# KiCad board panel.kicad_pcb (continued)
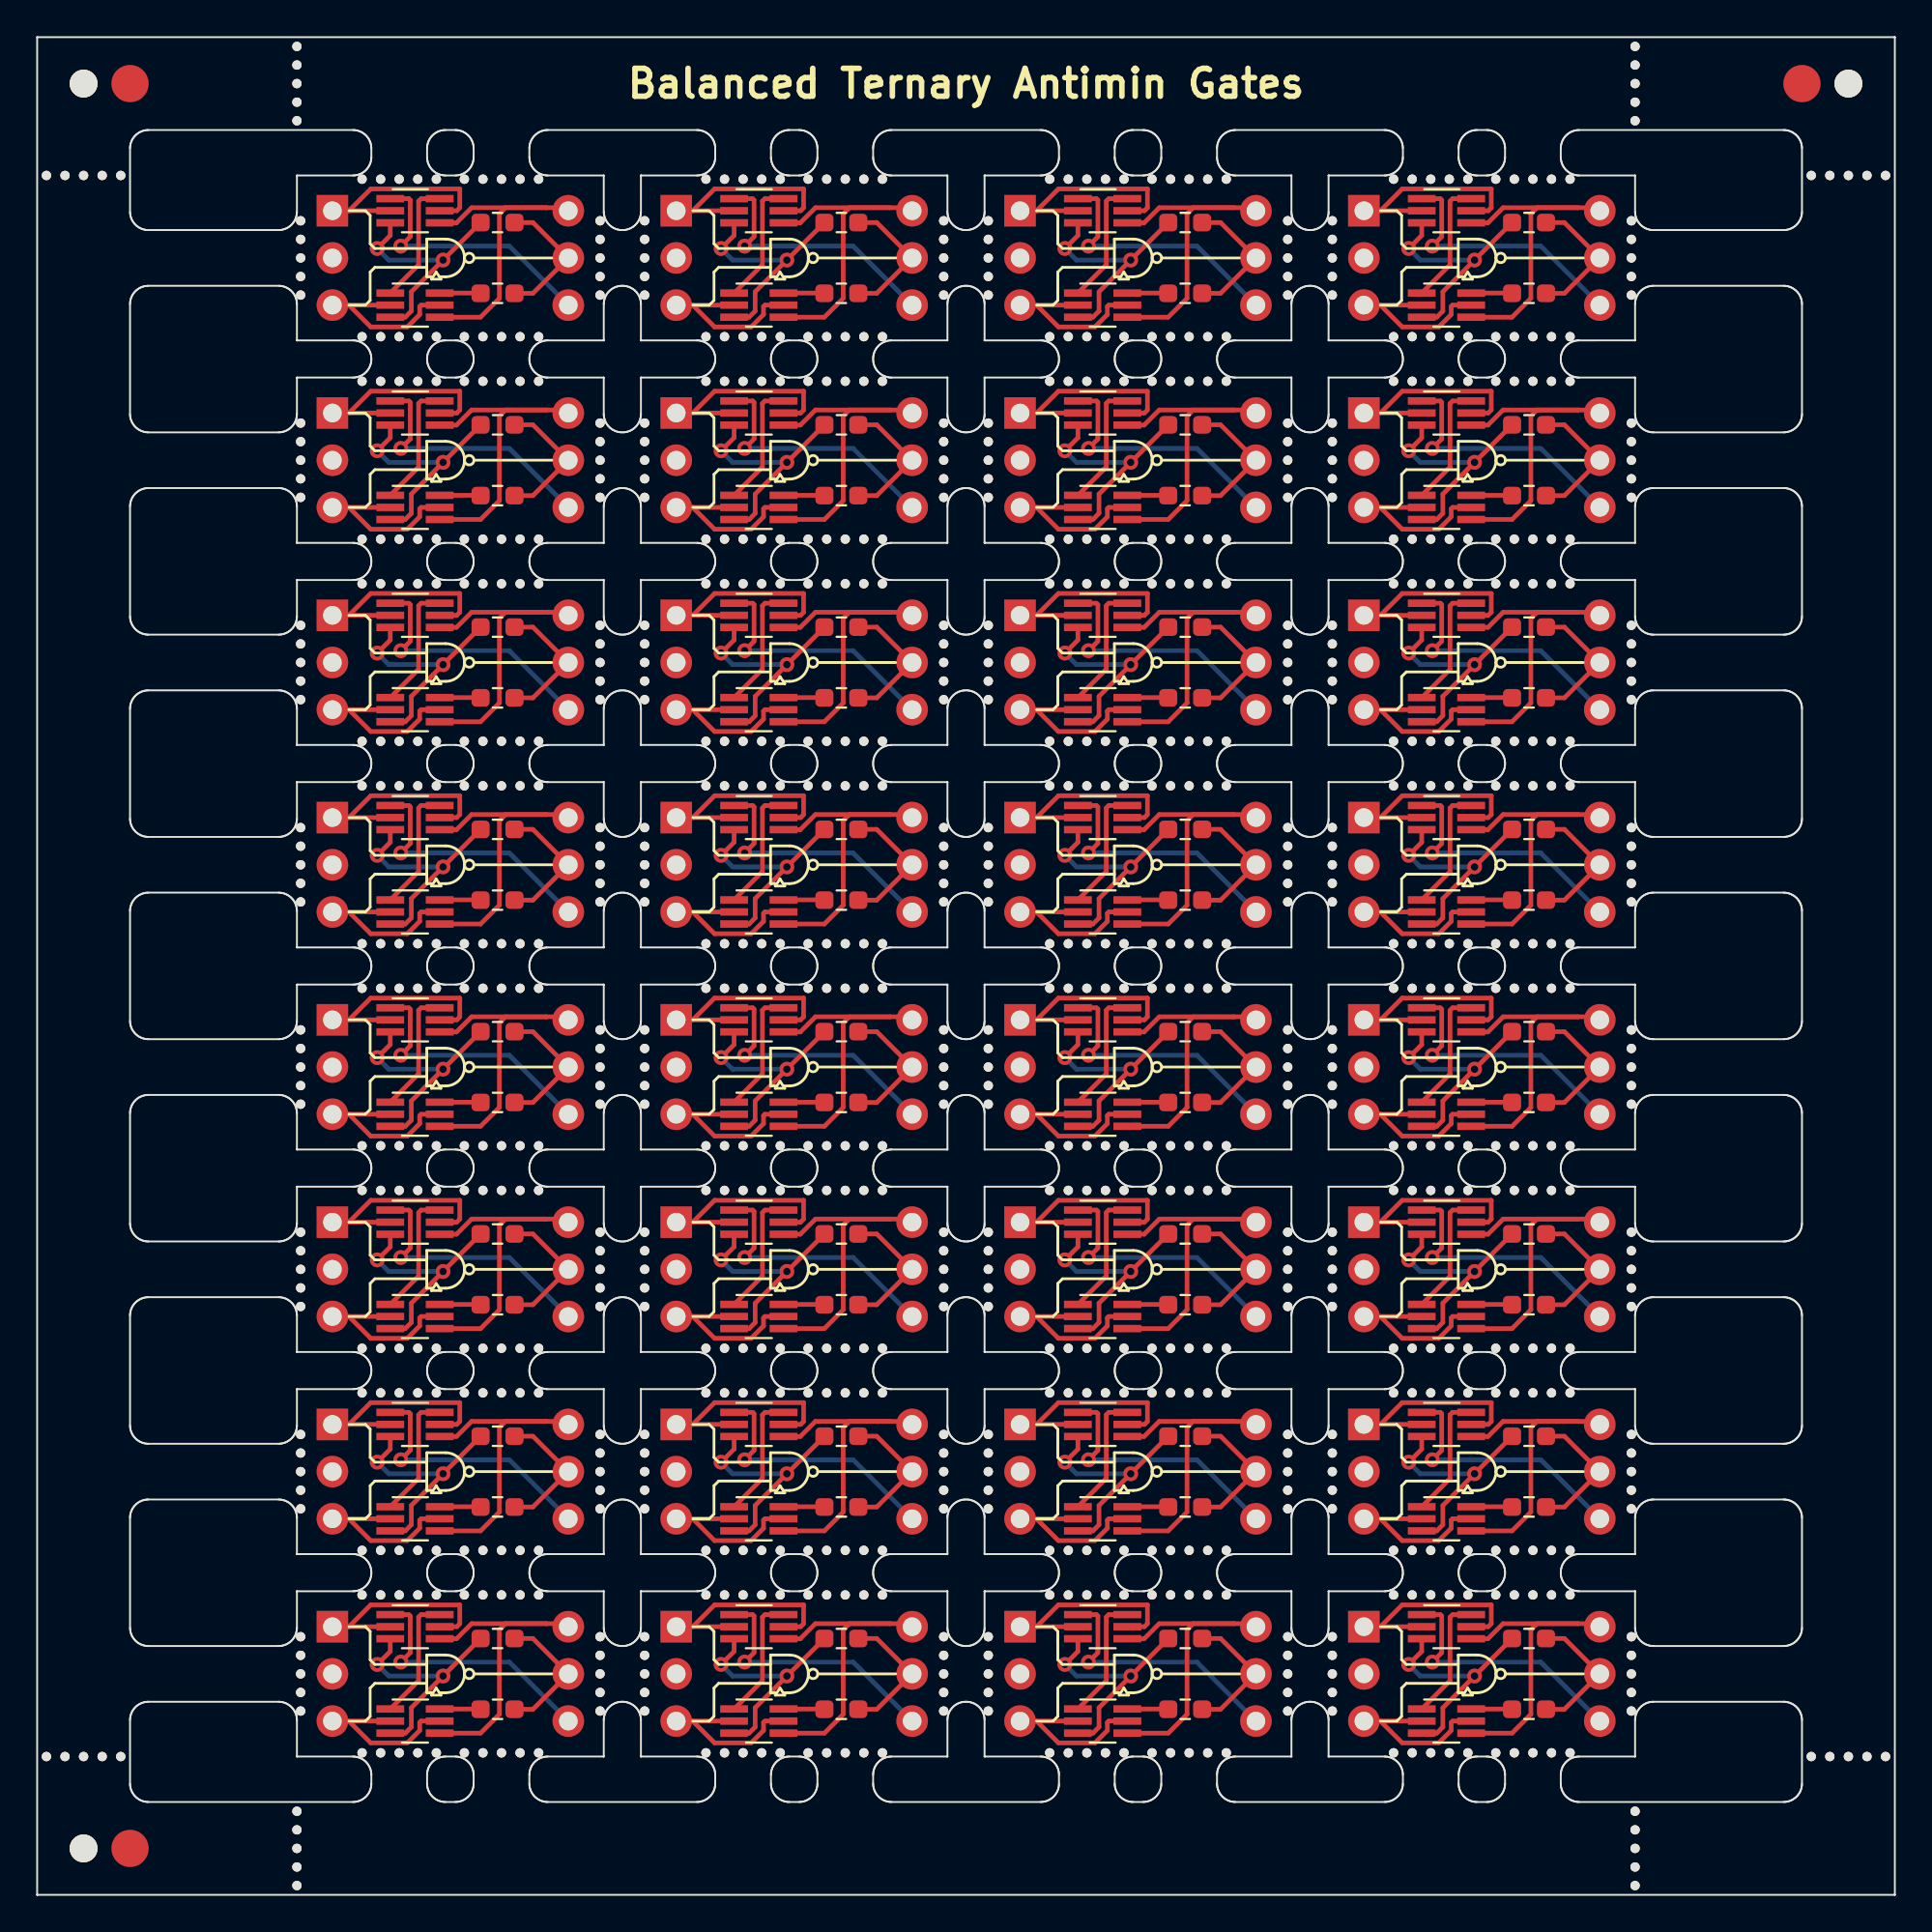
[diagram p0: board, top side]
## Routing (per net, layer and track width the routed paths; a pad name or vN(x,y) marks a point on that pad's centre or on a via; arc(x,y) is an arc through that point) (continued)
  Top w0.25: Q1#16.3 75.35,74.05 75.68,74.38 75.68,75.41 R1#6.1 ; Q2#11.3 74.54,78.45 v1(73.84,77.74)
  Bottom w0.25: v1(73.84,77.74) 74.46,77.12 v1(77.38,77.12)
Board_7-Net-(Q1-Pad6): length 2.2
  Top w0.25: Q1#16.6 79.39,75.35 R2#12.2
Board_7-Out: length 7.4
  Top w0.25: R1#6.2 82.22,79.14 J2#16.2 82.22,75.33 R2#12.1
Board_7-VDD: length 18.2
  Top w0.25: 82.94,79.94 78.92,79.94 78.1,79.13 Q2#11.4 ; 82.94,79.94 83.96,79.94 J2#16.1 ; 82.94,79.94 80.74,79.94 80.42,79.61 80.42,75.06 79.4,74.05 Q1#16.4
Board_7-VSS: length 14.1
  Top w0.25: v1(75.11,77.87) 75.61,78.38 75.61,80.35 75.54,80.43 Q2#11.1
  Bottom w0.25: J2#16.3 80.95,77.87 v1(75.11,77.87)
Board_8-A: length 9.2
  Top w0.25: 16.78,63.81 17.96,62.63 19.93,62.63 20.59,63.3 20.59,63.73 20.67,63.81 Q1.5 ; 16.78,63.81 Q1.2 ; 16.78,63.81 J1#8.3
Board_8-B: length 11.7
  Top w0.25: J1#8.1 16.78,68.89 ; 16.78,68.89 Q2#14.2 ; 16.78,68.89 17.96,70.06 22.74,70.06 22.75,70.05 22.75,69.05 22.59,68.89 Q2#14.5
Board_8-Net-(Q1-Pad1): length 6.8
  Top w0.25: Q2#14.6 20.67,69.54 20.53,69.4 20.53,65.98 Q1.1
Board_8-Net-(Q1-Pad3): length 13.1
  Top w0.25: Q2#14.3 19.01,67.56 v1(18.31,66.85) ; R1#16.1 20.15,64.52 20.15,63.49 19.82,63.16 Q1.3
  Bottom w0.25: v1(18.31,66.85) 18.93,66.23 v1(21.85,66.23)
Board_8-Net-(Q1-Pad6): length 2.2
  Top w0.25: R2#8.2 23.86,64.46 Q1.6
Board_8-Out: length 7.4
  Top w0.25: R2#8.1 26.69,64.44 J2#12.2 26.69,68.25 R1#16.2
Board_8-VDD: length 18.2
  Top w0.25: Q2#14.4 22.57,68.24 23.39,69.05 27.41,69.05 ; 27.41,69.05 25.21,69.05 24.88,68.72 24.88,64.17 23.87,63.16 Q1.4 ; 27.41,69.05 28.43,69.05 J2#12.1
Board_8-VSS: length 14.1
  Top w0.25: Q2#14.1 20.01,69.54 20.09,69.46 20.09,67.49 v1(19.58,66.98)
  Bottom w0.25: J2#12.3 25.42,66.98 v1(19.58,66.98)
Board_9-A: length 9.2
  Top w0.25: Q1#30.5 39.18,63.81 39.1,63.73 39.1,63.3 38.44,62.63 36.47,62.63 35.29,63.81 ; 35.29,63.81 J1#31.3 ; 35.29,63.81 Q1#30.2
Board_9-B: length 11.7
  Top w0.25: 35.29,68.89 Q2#13.2 ; 35.29,68.89 36.47,70.06 41.26,70.06 41.26,70.05 41.26,69.05 41.1,68.89 Q2#13.5 ; 35.29,68.89 J1#31.1
Board_9-Net-(Q1-Pad1): length 6.8
  Top w0.25: Q1#30.1 39.04,65.98 39.04,69.4 39.18,69.54 Q2#13.6
Board_9-Net-(Q1-Pad3): length 13.1
  Top w0.25: v1(36.82,66.85) 37.52,67.56 Q2#13.3 ; Q1#30.3 38.33,63.16 38.66,63.49 38.66,64.52 R1#30.1
  Bottom w0.25: v1(36.82,66.85) 37.44,66.23 v1(40.36,66.23)
Board_9-Net-(Q1-Pad6): length 2.2
  Top w0.25: Q1#30.6 42.37,64.46 R2#27.2
Board_9-Out: length 7.4
  Top w0.25: R1#30.2 45.2,68.25 J2#18.2 45.2,64.44 R2#27.1
Board_9-VDD: length 18.2
  Top w0.25: 45.92,69.05 43.72,69.05 43.4,68.72 43.4,64.17 42.38,63.16 Q1#30.4 ; 45.92,69.05 41.9,69.05 41.08,68.24 Q2#13.4 ; 45.92,69.05 46.94,69.05 J2#18.1
Board_9-VSS: length 14.1
  Top w0.25: v1(38.09,66.98) 38.59,67.49 38.59,69.46 38.52,69.54 Q2#13.1
  Bottom w0.25: v1(38.09,66.98) 43.93,66.98 J2#18.3
Board_10-A: length 9.2
  Top w0.25: 53.8,63.81 54.98,62.63 56.95,62.63 57.61,63.3 57.61,63.73 57.69,63.81 Q1#6.5 ; 53.8,63.81 Q1#6.2 ; 53.8,63.81 J1#18.3
Board_10-B: length 11.7
  Top w0.25: Q2#10.5 59.61,68.89 59.77,69.05 59.77,70.05 59.77,70.06 54.98,70.06 53.8,68.89 ; 53.8,68.89 Q2#10.2 ; 53.8,68.89 J1#18.1
Board_10-Net-(Q1-Pad1): length 6.8
  Top w0.25: Q1#6.1 57.55,65.98 57.55,69.4 57.69,69.54 Q2#10.6
Board_10-Net-(Q1-Pad3): length 13.1
  Top w0.25: Q2#10.3 56.03,67.56 v1(55.33,66.85) ; Q1#6.3 56.84,63.16 57.17,63.49 57.17,64.52 R1#7.1
  Bottom w0.25: v1(55.33,66.85) 55.95,66.23 v1(58.87,66.23)
Board_10-Net-(Q1-Pad6): length 2.2
  Top w0.25: R2#32.2 60.88,64.46 Q1#6.6
Board_10-Out: length 7.4
  Top w0.25: R1#7.2 63.71,68.25 J2#3.2 63.71,64.44 R2#32.1
Board_10-VDD: length 18.2
  Top w0.25: Q2#10.4 59.59,68.24 60.41,69.05 64.43,69.05 ; 64.43,69.05 62.23,69.05 61.91,68.72 61.91,64.17 60.89,63.16 Q1#6.4 ; 64.43,69.05 65.45,69.05 J2#3.1
Board_10-VSS: length 14.1
  Top w0.25: v1(56.6,66.98) 57.11,67.49 57.11,69.46 57.03,69.54 Q2#10.1
  Bottom w0.25: v1(56.6,66.98) 62.44,66.98 J2#3.3
Board_11-A: length 9.2
  Top w0.25: 72.31,63.81 J1#2.3 ; 72.31,63.81 73.49,62.63 75.46,62.63 76.12,63.3 76.12,63.73 76.2,63.81 Q1#11.5 ; 72.31,63.81 Q1#11.2
Board_11-B: length 11.7
  Top w0.25: Q2#29.5 78.12,68.89 78.28,69.05 78.28,70.05 78.28,70.06 73.49,70.06 72.31,68.89 ; 72.31,68.89 Q2#29.2 ; 72.31,68.89 J1#2.1
Board_11-Net-(Q1-Pad1): length 6.8
  Top w0.25: Q1#11.1 76.06,65.98 76.06,69.4 76.2,69.54 Q2#29.6
Board_11-Net-(Q1-Pad3): length 13.1
  Top w0.25: v1(73.84,66.85) 74.54,67.56 Q2#29.3 ; Q1#11.3 75.35,63.16 75.68,63.49 75.68,64.52 R1#31.1
  Bottom w0.25: v1(77.38,66.23) 74.46,66.23 v1(73.84,66.85)
Board_11-Net-(Q1-Pad6): length 2.2
  Top w0.25: Q1#11.6 79.39,64.46 R2.2
Board_11-Out: length 7.4
  Top w0.25: R2.1 82.22,64.44 J2#19.2 82.22,68.25 R1#31.2
Board_11-VDD: length 18.2
  Top w0.25: J2#19.1 83.96,69.05 82.94,69.05 ; Q1#11.4 79.4,63.16 80.42,64.17 80.42,68.72 80.74,69.05 82.94,69.05 ; Q2#29.4 78.1,68.24 78.92,69.05 82.94,69.05
Board_11-VSS: length 14.1
  Top w0.25: Q2#29.1 75.54,69.54 75.61,69.46 75.61,67.49 v1(75.11,66.98)
  Bottom w0.25: J2#19.3 80.95,66.98 v1(75.11,66.98)
Board_12-A: length 9.2
  Top w0.25: Q1#13.2 16.78,52.92 ; 16.78,52.92 17.96,51.74 19.93,51.74 20.59,52.41 20.59,52.84 20.67,52.92 Q1#13.5 ; 16.78,52.92 J1.3
Board_12-B: length 11.7
  Top w0.25: J1.1 16.78,58 ; 16.78,58 17.96,59.17 22.74,59.17 22.75,59.16 22.75,58.16 22.59,58 Q2#5.5 ; 16.78,58 Q2#5.2
Board_12-Net-(Q1-Pad1): length 6.8
  Top w0.25: Q1#13.1 20.53,55.09 20.53,58.51 20.67,58.65 Q2#5.6
Board_12-Net-(Q1-Pad3): length 13.1
  Top w0.25: v1(18.31,55.96) 19.01,56.67 Q2#5.3 ; R1#10.1 20.15,53.63 20.15,52.6 19.82,52.27 Q1#13.3
  Bottom w0.25: v1(21.85,55.34) 18.93,55.34 v1(18.31,55.96)
Board_12-Net-(Q1-Pad6): length 2.2
  Top w0.25: R2#13.2 23.86,53.57 Q1#13.6
Board_12-Out: length 7.4
  Top w0.25: R1#10.2 26.69,57.36 J2#21.2 26.69,53.55 R2#13.1
Board_12-VDD: length 18.2
  Top w0.25: 27.41,58.16 25.21,58.16 24.88,57.83 24.88,53.28 23.87,52.27 Q1#13.4 ; 27.41,58.16 28.43,58.16 J2#21.1 ; 27.41,58.16 23.39,58.16 22.57,57.35 Q2#5.4
Board_12-VSS: length 14.1
  Top w0.25: v1(19.58,56.09) 20.09,56.6 20.09,58.57 20.01,58.65 Q2#5.1
  Bottom w0.25: J2#21.3 25.42,56.09 v1(19.58,56.09)
Board_13-A: length 9.2
  Top w0.25: 35.29,52.92 J1#9.3 ; 35.29,52.92 Q1#29.2 ; 35.29,52.92 36.47,51.74 38.44,51.74 39.1,52.41 39.1,52.84 39.18,52.92 Q1#29.5
Board_13-B: length 11.7
  Top w0.25: J1#9.1 35.29,58 ; 35.29,58 Q2#31.2 ; 35.29,58 36.47,59.17 41.26,59.17 41.26,59.16 41.26,58.16 41.1,58 Q2#31.5
Board_13-Net-(Q1-Pad1): length 6.8
  Top w0.25: Q1#29.1 39.04,55.09 39.04,58.51 39.18,58.65 Q2#31.6
Board_13-Net-(Q1-Pad3): length 13.1
  Top w0.25: v1(36.82,55.96) 37.52,56.67 Q2#31.3 ; R1#25.1 38.66,53.63 38.66,52.6 38.33,52.27 Q1#29.3
  Bottom w0.25: v1(40.36,55.34) 37.44,55.34 v1(36.82,55.96)
Board_13-Net-(Q1-Pad6): length 2.2
  Top w0.25: R2#29.2 42.37,53.57 Q1#29.6
Board_13-Out: length 7.4
  Top w0.25: R2#29.1 45.2,53.55 J2#24.2 45.2,57.36 R1#25.2
Board_13-VDD: length 18.2
  Top w0.25: 45.92,58.16 43.72,58.16 43.4,57.83 43.4,53.28 42.38,52.27 Q1#29.4 ; 45.92,58.16 41.9,58.16 41.08,57.35 Q2#31.4 ; 45.92,58.16 46.94,58.16 J2#24.1
Board_13-VSS: length 14.1
  Top w0.25: v1(38.09,56.09) 38.59,56.6 38.59,58.57 38.52,58.65 Q2#31.1
  Bottom w0.25: J2#24.3 43.93,56.09 v1(38.09,56.09)
Board_14-A: length 9.2
  Top w0.25: Q1#18.2 53.8,52.92 ; 53.8,52.92 54.98,51.74 56.95,51.74 57.61,52.41 57.61,52.84 57.69,52.92 Q1#18.5 ; 53.8,52.92 J1#13.3
Board_14-B: length 11.7
  Top w0.25: 53.8,58 Q2.2 ; 53.8,58 54.98,59.17 59.77,59.17 59.77,59.16 59.77,58.16 59.61,58 Q2.5 ; 53.8,58 J1#13.1
Board_14-Net-(Q1-Pad1): length 6.8
  Top w0.25: Q1#18.1 57.55,55.09 57.55,58.51 57.69,58.65 Q2.6
Board_14-Net-(Q1-Pad3): length 13.1
  Top w0.25: v1(55.33,55.96) 56.03,56.67 Q2.3 ; Q1#18.3 56.84,52.27 57.17,52.6 57.17,53.63 R1#19.1
  Bottom w0.25: v1(58.87,55.34) 55.95,55.34 v1(55.33,55.96)
Board_14-Net-(Q1-Pad6): length 2.2
  Top w0.25: Q1#18.6 60.88,53.57 R2#2.2
Board_14-Out: length 7.4
  Top w0.25: R1#19.2 63.71,57.36 J2#23.2 63.71,53.55 R2#2.1
Board_14-VDD: length 18.2
  Top w0.25: J2#23.1 65.45,58.16 64.43,58.16 ; Q2.4 59.59,57.35 60.41,58.16 64.43,58.16 ; 64.43,58.16 62.23,58.16 61.91,57.83 61.91,53.28 60.89,52.27 Q1#18.4
Board_14-VSS: length 14.1
  Top w0.25: Q2.1 57.03,58.65 57.11,58.57 57.11,56.6 v1(56.6,56.09)
  Bottom w0.25: J2#23.3 62.44,56.09 v1(56.6,56.09)
Board_15-A: length 9.2
  Top w0.25: Q1#15.5 76.2,52.92 76.12,52.84 76.12,52.41 75.46,51.74 73.49,51.74 72.31,52.92 ; 72.31,52.92 J1#3.3 ; 72.31,52.92 Q1#15.2
Board_15-B: length 11.7
  Top w0.25: 72.31,58 Q2#26.2 ; 72.31,58 73.49,59.17 78.28,59.17 78.28,59.16 78.28,58.16 78.12,58 Q2#26.5 ; 72.31,58 J1#3.1
Board_15-Net-(Q1-Pad1): length 6.8
  Top w0.25: Q2#26.6 76.2,58.65 76.06,58.51 76.06,55.09 Q1#15.1
Board_15-Net-(Q1-Pad3): length 13.1
  Top w0.25: v1(73.84,55.96) 74.54,56.67 Q2#26.3 ; Q1#15.3 75.35,52.27 75.68,52.6 75.68,53.63 R1#5.1
  Bottom w0.25: v1(77.38,55.34) 74.46,55.34 v1(73.84,55.96)
Board_15-Net-(Q1-Pad6): length 2.2
  Top w0.25: Q1#15.6 79.39,53.57 R2#22.2
Board_15-Out: length 7.4
  Top w0.25: R1#5.2 82.22,57.36 J2#14.2 82.22,53.55 R2#22.1
Board_15-VDD: length 18.2
  Top w0.25: 82.94,58.16 83.96,58.16 J2#14.1 ; 82.94,58.16 80.74,58.16 80.42,57.83 80.42,53.28 79.4,52.27 Q1#15.4 ; 82.94,58.16 78.92,58.16 78.1,57.35 Q2#26.4
Board_15-VSS: length 14.1
  Top w0.25: Q2#26.1 75.54,58.65 75.61,58.57 75.61,56.6 v1(75.11,56.09)
  Bottom w0.25: J2#14.3 80.95,56.09 v1(75.11,56.09)
Board_16-A: length 9.2
  Top w0.25: Q1#28.2 16.78,42.03 ; 16.78,42.03 17.96,40.85 19.93,40.85 20.59,41.52 20.59,41.95 20.67,42.03 Q1#28.5 ; 16.78,42.03 J1#17.3
Board_16-B: length 11.7
  Top w0.25: 16.78,47.11 Q2#2.2 ; 16.78,47.11 17.96,48.28 22.74,48.28 22.75,48.27 22.75,47.27 22.59,47.11 Q2#2.5 ; 16.78,47.11 J1#17.1
Board_16-Net-(Q1-Pad1): length 6.8
  Top w0.25: Q1#28.1 20.53,44.2 20.53,47.62 20.67,47.76 Q2#2.6
Board_16-Net-(Q1-Pad3): length 13.1
  Top w0.25: Q2#2.3 19.01,45.78 v1(18.31,45.07) ; R1#23.1 20.15,42.74 20.15,41.71 19.82,41.38 Q1#28.3
  Bottom w0.25: v1(21.85,44.45) 18.93,44.45 v1(18.31,45.07)
Board_16-Net-(Q1-Pad6): length 2.2
  Top w0.25: Q1#28.6 23.86,42.68 R2#19.2
Board_16-Out: length 7.4
  Top w0.25: R1#23.2 26.69,46.47 J2#25.2 26.69,42.66 R2#19.1
Board_16-VDD: length 18.2
  Top w0.25: Q2#2.4 22.57,46.46 23.39,47.27 27.41,47.27 ; 27.41,47.27 28.43,47.27 J2#25.1 ; 27.41,47.27 25.21,47.27 24.88,46.94 24.88,42.39 23.87,41.38 Q1#28.4
Board_16-VSS: length 14.1
  Top w0.25: Q2#2.1 20.01,47.76 20.09,47.68 20.09,45.71 v1(19.58,45.2)
  Bottom w0.25: J2#25.3 25.42,45.2 v1(19.58,45.2)
Board_17-A: length 9.2
  Top w0.25: Q1#5.5 39.18,42.03 39.1,41.95 39.1,41.52 38.44,40.85 36.47,40.85 35.29,42.03 ; 35.29,42.03 J1#16.3 ; 35.29,42.03 Q1#5.2
Board_17-B: length 11.7
  Top w0.25: 35.29,47.11 Q2#27.2 ; 35.29,47.11 36.47,48.28 41.26,48.28 41.26,48.27 41.26,47.27 41.1,47.11 Q2#27.5 ; 35.29,47.11 J1#16.1
Board_17-Net-(Q1-Pad1): length 6.8
  Top w0.25: Q2#27.6 39.18,47.76 39.04,47.62 39.04,44.2 Q1#5.1
Board_17-Net-(Q1-Pad3): length 13.1
  Top w0.25: Q1#5.3 38.33,41.38 38.66,41.71 38.66,42.74 R1#24.1 ; v1(36.82,45.07) 37.52,45.78 Q2#27.3
  Bottom w0.25: v1(40.36,44.45) 37.44,44.45 v1(36.82,45.07)
Board_17-Net-(Q1-Pad6): length 2.2
  Top w0.25: Q1#5.6 42.37,42.68 R2#3.2
Board_17-Out: length 7.4
  Top w0.25: R2#3.1 45.2,42.66 J2#27.2 45.2,46.47 R1#24.2
Board_17-VDD: length 18.2
  Top w0.25: Q2#27.4 41.08,46.46 41.9,47.27 45.92,47.27 ; 45.92,47.27 43.72,47.27 43.4,46.94 43.4,42.39 42.38,41.38 Q1#5.4 ; 45.92,47.27 46.94,47.27 J2#27.1
Board_17-VSS: length 14.1
  Top w0.25: Q2#27.1 38.52,47.76 38.59,47.68 38.59,45.71 v1(38.09,45.2)
  Bottom w0.25: v1(38.09,45.2) 43.93,45.2 J2#27.3
Board_18-A: length 9.2
  Top w0.25: Q1#3.2 53.8,42.03 ; 53.8,42.03 J1#7.3 ; 53.8,42.03 54.98,40.85 56.95,40.85 57.61,41.52 57.61,41.95 57.69,42.03 Q1#3.5
Board_18-B: length 11.7
  Top w0.25: 53.8,47.11 54.98,48.28 59.77,48.28 59.77,48.27 59.77,47.27 59.61,47.11 Q2#21.5 ; 53.8,47.11 J1#7.1 ; 53.8,47.11 Q2#21.2
Board_18-Net-(Q1-Pad1): length 6.8
  Top w0.25: Q2#21.6 57.69,47.76 57.55,47.62 57.55,44.2 Q1#3.1
Board_18-Net-(Q1-Pad3): length 13.1
  Top w0.25: R1.1 57.17,42.74 57.17,41.71 56.84,41.38 Q1#3.3 ; v1(55.33,45.07) 56.03,45.78 Q2#21.3
  Bottom w0.25: v1(58.87,44.45) 55.95,44.45 v1(55.33,45.07)
Board_18-Net-(Q1-Pad6): length 2.2
  Top w0.25: R2#24.2 60.88,42.68 Q1#3.6
Board_18-Out: length 7.4
  Top w0.25: R2#24.1 63.71,42.66 J2#4.2 63.71,46.47 R1.2
Board_18-VDD: length 18.2
  Top w0.25: J2#4.1 65.45,47.27 64.43,47.27 ; Q2#21.4 59.59,46.46 60.41,47.27 64.43,47.27 ; 64.43,47.27 62.23,47.27 61.91,46.94 61.91,42.39 60.89,41.38 Q1#3.4
Board_18-VSS: length 14.1
  Top w0.25: v1(56.6,45.2) 57.11,45.71 57.11,47.68 57.03,47.76 Q2#21.1
  Bottom w0.25: v1(56.6,45.2) 62.44,45.2 J2#4.3
Board_19-A: length 9.2
  Top w0.25: Q1#7.5 76.2,42.03 76.12,41.95 76.12,41.52 75.46,40.85 73.49,40.85 72.31,42.03 ; Q1#7.2 72.31,42.03 ; 72.31,42.03 J1#27.3
Board_19-B: length 11.7
  Top w0.25: 72.31,47.11 Q2#18.2 ; 72.31,47.11 J1#27.1 ; 72.31,47.11 73.49,48.28 78.28,48.28 78.28,48.27 78.28,47.27 78.12,47.11 Q2#18.5
Board_19-Net-(Q1-Pad1): length 6.8
  Top w0.25: Q1#7.1 76.06,44.2 76.06,47.62 76.2,47.76 Q2#18.6
Board_19-Net-(Q1-Pad3): length 13.1
  Top w0.25: Q1#7.3 75.35,41.38 75.68,41.71 75.68,42.74 R1#32.1 ; v1(73.84,45.07) 74.54,45.78 Q2#18.3
  Bottom w0.25: v1(73.84,45.07) 74.46,44.45 v1(77.38,44.45)
Board_19-Net-(Q1-Pad6): length 2.2
  Top w0.25: Q1#7.6 79.39,42.68 R2#18.2
Board_19-Out: length 7.4
  Top w0.25: R1#32.2 82.22,46.47 J2#29.2 82.22,42.66 R2#18.1
Board_19-VDD: length 18.2
  Top w0.25: J2#29.1 83.96,47.27 82.94,47.27 ; 82.94,47.27 78.92,47.27 78.1,46.46 Q2#18.4 ; 82.94,47.27 80.74,47.27 80.42,46.94 80.42,42.39 79.4,41.38 Q1#7.4
Board_19-VSS: length 14.1
  Top w0.25: v1(75.11,45.2) 75.61,45.71 75.61,47.68 75.54,47.76 Q2#18.1
  Bottom w0.25: v1(75.11,45.2) 80.95,45.2 J2#29.3
Board_20-A: length 9.2
  Top w0.25: Q1#25.2 16.78,31.14 ; 16.78,31.14 17.96,29.96 19.93,29.96 20.59,30.63 20.59,31.06 20.67,31.14 Q1#25.5 ; 16.78,31.14 J1#21.3
Board_20-B: length 11.7
  Top w0.25: 16.78,36.22 17.96,37.39 22.74,37.39 22.75,37.38 22.75,36.38 22.59,36.22 Q2#19.5 ; 16.78,36.22 Q2#19.2 ; 16.78,36.22 J1#21.1
Board_20-Net-(Q1-Pad1): length 6.8
  Top w0.25: Q2#19.6 20.67,36.87 20.53,36.73 20.53,33.31 Q1#25.1
Board_20-Net-(Q1-Pad3): length 13.1
  Top w0.25: Q1#25.3 19.82,30.49 20.15,30.82 20.15,31.85 R1#13.1 ; Q2#19.3 19.01,34.89 v1(18.31,34.18)
  Bottom w0.25: v1(21.85,33.56) 18.93,33.56 v1(18.31,34.18)
Board_20-Net-(Q1-Pad6): length 2.2
  Top w0.25: Q1#25.6 23.86,31.79 R2#21.2
Board_20-Out: length 7.4
  Top w0.25: R2#21.1 26.69,31.77 J2#5.2 26.69,35.58 R1#13.2
Board_20-VDD: length 18.2
  Top w0.25: 27.41,36.38 28.43,36.38 J2#5.1 ; 27.41,36.38 25.21,36.38 24.88,36.05 24.88,31.5 23.87,30.49 Q1#25.4 ; 27.41,36.38 23.39,36.38 22.57,35.57 Q2#19.4
Board_20-VSS: length 14.1
  Top w0.25: Q2#19.1 20.01,36.87 20.09,36.79 20.09,34.82 v1(19.58,34.31)
  Bottom w0.25: v1(19.58,34.31) 25.42,34.31 J2#5.3
Board_21-A: length 9.2
  Top w0.25: 35.29,31.14 J1#15.3 ; 35.29,31.14 Q1#23.2 ; 35.29,31.14 36.47,29.96 38.44,29.96 39.1,30.63 39.1,31.06 39.18,31.14 Q1#23.5
Board_21-B: length 11.7
  Top w0.25: J1#15.1 35.29,36.22 ; 35.29,36.22 36.47,37.39 41.26,37.39 41.26,37.38 41.26,36.38 41.1,36.22 Q2#24.5 ; 35.29,36.22 Q2#24.2
Board_21-Net-(Q1-Pad1): length 6.8
  Top w0.25: Q2#24.6 39.18,36.87 39.04,36.73 39.04,33.31 Q1#23.1
Board_21-Net-(Q1-Pad3): length 13.1
  Top w0.25: v1(36.82,34.18) 37.52,34.89 Q2#24.3 ; R1#21.1 38.66,31.85 38.66,30.82 38.33,30.49 Q1#23.3
  Bottom w0.25: v1(40.36,33.56) 37.44,33.56 v1(36.82,34.18)
Board_21-Net-(Q1-Pad6): length 2.2
  Top w0.25: R2#11.2 42.37,31.79 Q1#23.6
Board_21-Out: length 7.4
  Top w0.25: R1#21.2 45.2,35.58 J2#28.2 45.2,31.77 R2#11.1
Board_21-VDD: length 18.2
  Top w0.25: 45.92,36.38 46.94,36.38 J2#28.1 ; 45.92,36.38 43.72,36.38 43.4,36.05 43.4,31.5 42.38,30.49 Q1#23.4 ; 45.92,36.38 41.9,36.38 41.08,35.57 Q2#24.4
Board_21-VSS: length 14.1
  Top w0.25: v1(38.09,34.31) 38.59,34.82 38.59,36.79 38.52,36.87 Q2#24.1
  Bottom w0.25: v1(38.09,34.31) 43.93,34.31 J2#28.3
Board_22-A: length 9.2
  Top w0.25: 53.8,31.14 J1#28.3 ; 53.8,31.14 Q1#32.2 ; 53.8,31.14 54.98,29.96 56.95,29.96 57.61,30.63 57.61,31.06 57.69,31.14 Q1#32.5
Board_22-B: length 11.7
  Top w0.25: J1#28.1 53.8,36.22 ; 53.8,36.22 Q2#3.2 ; 53.8,36.22 54.98,37.39 59.77,37.39 59.77,37.38 59.77,36.38 59.61,36.22 Q2#3.5
Board_22-Net-(Q1-Pad1): length 6.8
  Top w0.25: Q2#3.6 57.69,36.87 57.55,36.73 57.55,33.31 Q1#32.1
Board_22-Net-(Q1-Pad3): length 13.1
  Top w0.25: Q2#3.3 56.03,34.89 v1(55.33,34.18) ; Q1#32.3 56.84,30.49 57.17,30.82 57.17,31.85 R1#22.1
  Bottom w0.25: v1(58.87,33.56) 55.95,33.56 v1(55.33,34.18)
Board_22-Net-(Q1-Pad6): length 2.2
  Top w0.25: Q1#32.6 60.88,31.79 R2#7.2
Board_22-Out: length 7.4
  Top w0.25: R2#7.1 63.71,31.77 J2#32.2 63.71,35.58 R1#22.2
Board_22-VDD: length 18.2
  Top w0.25: Q1#32.4 60.89,30.49 61.91,31.5 61.91,36.05 62.23,36.38 64.43,36.38 ; 64.43,36.38 65.45,36.38 J2#32.1 ; 64.43,36.38 60.41,36.38 59.59,35.57 Q2#3.4
Board_22-VSS: length 14.1
  Top w0.25: v1(56.6,34.31) 57.11,34.82 57.11,36.79 57.03,36.87 Q2#3.1
  Bottom w0.25: J2#32.3 62.44,34.31 v1(56.6,34.31)
Board_23-A: length 9.2
  Top w0.25: 72.31,31.14 73.49,29.96 75.46,29.96 76.12,30.63 76.12,31.06 76.2,31.14 Q1#2.5 ; 72.31,31.14 Q1#2.2 ; 72.31,31.14 J1#5.3
Board_23-B: length 11.7
  Top w0.25: J1#5.1 72.31,36.22 ; 72.31,36.22 Q2#15.2 ; 72.31,36.22 73.49,37.39 78.28,37.39 78.28,37.38 78.28,36.38 78.12,36.22 Q2#15.5
Board_23-Net-(Q1-Pad1): length 6.8
  Top w0.25: Q2#15.6 76.2,36.87 76.06,36.73 76.06,33.31 Q1#2.1
Board_23-Net-(Q1-Pad3): length 13.1
  Top w0.25: Q1#2.3 75.35,30.49 75.68,30.82 75.68,31.85 R1#2.1 ; Q2#15.3 74.54,34.89 v1(73.84,34.18)
  Bottom w0.25: v1(77.38,33.56) 74.46,33.56 v1(73.84,34.18)
Board_23-Net-(Q1-Pad6): length 2.2
  Top w0.25: R2#23.2 79.39,31.79 Q1#2.6
Board_23-Out: length 7.4
  Top w0.25: R2#23.1 82.22,31.77 J2#26.2 82.22,35.58 R1#2.2
Board_23-VDD: length 18.2
  Top w0.25: 82.94,36.38 83.96,36.38 J2#26.1 ; 82.94,36.38 78.92,36.38 78.1,35.57 Q2#15.4 ; 82.94,36.38 80.74,36.38 80.42,36.05 80.42,31.5 79.4,30.49 Q1#2.4
Board_23-VSS: length 14.1
  Top w0.25: Q2#15.1 75.54,36.87 75.61,36.79 75.61,34.82 v1(75.11,34.31)
  Bottom w0.25: v1(75.11,34.31) 80.95,34.31 J2#26.3
Board_24-A: length 9.2
  Top w0.25: 16.78,20.25 17.96,19.07 19.93,19.07 20.59,19.74 20.59,20.17 20.67,20.25 Q1#9.5 ; 16.78,20.25 Q1#9.2 ; 16.78,20.25 J1#29.3
Board_24-B: length 11.7
  Top w0.25: Q2#17.5 22.59,25.33 22.75,25.49 22.75,26.49 22.74,26.5 17.96,26.5 16.78,25.33 ; J1#29.1 16.78,25.33 ; 16.78,25.33 Q2#17.2
Board_24-Net-(Q1-Pad1): length 6.8
  Top w0.25: Q1#9.1 20.53,22.42 20.53,25.84 20.67,25.98 Q2#17.6
Board_24-Net-(Q1-Pad3): length 13.1
  Top w0.25: v1(18.31,23.29) 19.01,24 Q2#17.3 ; Q1#9.3 19.82,19.6 20.15,19.93 20.15,20.96 R1#8.1
  Bottom w0.25: v1(18.31,23.29) 18.93,22.67 v1(21.85,22.67)
Board_24-Net-(Q1-Pad6): length 2.2
  Top w0.25: Q1#9.6 23.86,20.9 R2#20.2
Board_24-Out: length 7.4
  Top w0.25: R1#8.2 26.69,24.69 J2#20.2 26.69,20.88 R2#20.1
Board_24-VDD: length 18.2
  Top w0.25: Q1#9.4 23.87,19.6 24.88,20.61 24.88,25.16 25.21,25.49 27.41,25.49 ; 27.41,25.49 28.43,25.49 J2#20.1 ; 27.41,25.49 23.39,25.49 22.57,24.68 Q2#17.4
Board_24-VSS: length 14.1
  Top w0.25: v1(19.58,23.42) 20.09,23.93 20.09,25.9 20.01,25.98 Q2#17.1
  Bottom w0.25: J2#20.3 25.42,23.42 v1(19.58,23.42)
Board_25-A: length 9.2
  Top w0.25: 35.29,20.25 36.47,19.07 38.44,19.07 39.1,19.74 39.1,20.17 39.18,20.25 Q1#21.5 ; 35.29,20.25 Q1#21.2 ; 35.29,20.25 J1#12.3
Board_25-B: length 11.7
  Top w0.25: 35.29,25.33 36.47,26.5 41.26,26.5 41.26,26.49 41.26,25.49 41.1,25.33 Q2#4.5 ; 35.29,25.33 Q2#4.2 ; 35.29,25.33 J1#12.1
Board_25-Net-(Q1-Pad1): length 6.8
  Top w0.25: Q2#4.6 39.18,25.98 39.04,25.84 39.04,22.42 Q1#21.1
Board_25-Net-(Q1-Pad3): length 13.1
  Top w0.25: v1(36.82,23.29) 37.52,24 Q2#4.3 ; Q1#21.3 38.33,19.6 38.66,19.93 38.66,20.96 R1#26.1
  Bottom w0.25: v1(36.82,23.29) 37.44,22.67 v1(40.36,22.67)
Board_25-Net-(Q1-Pad6): length 2.2
  Top w0.25: Q1#21.6 42.37,20.9 R2#6.2
Board_25-Out: length 7.4
  Top w0.25: R2#6.1 45.2,20.88 J2#11.2 45.2,24.69 R1#26.2
Board_25-VDD: length 18.2
  Top w0.25: J2#11.1 46.94,25.49 45.92,25.49 ; 45.92,25.49 41.9,25.49 41.08,24.68 Q2#4.4 ; 45.92,25.49 43.72,25.49 43.4,25.16 43.4,20.61 42.38,19.6 Q1#21.4
Board_25-VSS: length 14.1
  Top w0.25: Q2#4.1 38.52,25.98 38.59,25.9 38.59,23.93 v1(38.09,23.42)
  Bottom w0.25: J2#11.3 43.93,23.42 v1(38.09,23.42)
Board_26-A: length 9.2
  Top w0.25: Q1#14.2 53.8,20.25 ; 53.8,20.25 J1#10.3 ; 53.8,20.25 54.98,19.07 56.95,19.07 57.61,19.74 57.61,20.17 57.69,20.25 Q1#14.5
Board_26-B: length 11.7
  Top w0.25: 53.8,25.33 54.98,26.5 59.77,26.5 59.77,26.49 59.77,25.49 59.61,25.33 Q2#28.5 ; 53.8,25.33 J1#10.1 ; 53.8,25.33 Q2#28.2
Board_26-Net-(Q1-Pad1): length 6.8
  Top w0.25: Q1#14.1 57.55,22.42 57.55,25.84 57.69,25.98 Q2#28.6
Board_26-Net-(Q1-Pad3): length 13.1
  Top w0.25: R1#18.1 57.17,20.96 57.17,19.93 56.84,19.6 Q1#14.3 ; Q2#28.3 56.03,24 v1(55.33,23.29)
  Bottom w0.25: v1(58.87,22.67) 55.95,22.67 v1(55.33,23.29)
Board_26-Net-(Q1-Pad6): length 2.2
  Top w0.25: Q1#14.6 60.88,20.9 R2#4.2
Board_26-Out: length 7.4
  Top w0.25: R1#18.2 63.71,24.69 J2#8.2 63.71,20.88 R2#4.1
Board_26-VDD: length 18.2
  Top w0.25: 64.43,25.49 60.41,25.49 59.59,24.68 Q2#28.4 ; 64.43,25.49 65.45,25.49 J2#8.1 ; 64.43,25.49 62.23,25.49 61.91,25.16 61.91,20.61 60.89,19.6 Q1#14.4
Board_26-VSS: length 14.1
  Top w0.25: Q2#28.1 57.03,25.98 57.11,25.9 57.11,23.93 v1(56.6,23.42)
  Bottom w0.25: v1(56.6,23.42) 62.44,23.42 J2#8.3
Board_27-A: length 9.2
  Top w0.25: Q1#12.2 72.31,20.25 ; 72.31,20.25 73.49,19.07 75.46,19.07 76.12,19.74 76.12,20.17 76.2,20.25 Q1#12.5 ; 72.31,20.25 J1#19.3
Board_27-B: length 11.7
  Top w0.25: J1#19.1 72.31,25.33 ; 72.31,25.33 Q2#9.2 ; 72.31,25.33 73.49,26.5 78.28,26.5 78.28,26.49 78.28,25.49 78.12,25.33 Q2#9.5
Board_27-Net-(Q1-Pad1): length 6.8
  Top w0.25: Q1#12.1 76.06,22.42 76.06,25.84 76.2,25.98 Q2#9.6
Board_27-Net-(Q1-Pad3): length 13.1
  Top w0.25: Q2#9.3 74.54,24 v1(73.84,23.29) ; Q1#12.3 75.35,19.6 75.68,19.93 75.68,20.96 R1#9.1
  Bottom w0.25: v1(73.84,23.29) 74.46,22.67 v1(77.38,22.67)
Board_27-Net-(Q1-Pad6): length 2.2
  Top w0.25: R2#16.2 79.39,20.9 Q1#12.6
Board_27-Out: length 7.4
  Top w0.25: R1#9.2 82.22,24.69 J2#9.2 82.22,20.88 R2#16.1
Board_27-VDD: length 18.2
  Top w0.25: J2#9.1 83.96,25.49 82.94,25.49 ; 82.94,25.49 80.74,25.49 80.42,25.16 80.42,20.61 79.4,19.6 Q1#12.4 ; 82.94,25.49 78.92,25.49 78.1,24.68 Q2#9.4
Board_27-VSS: length 14.1
  Top w0.25: v1(75.11,23.42) 75.61,23.93 75.61,25.9 75.54,25.98 Q2#9.1
  Bottom w0.25: J2#9.3 80.95,23.42 v1(75.11,23.42)
Board_28-A: length 9.2
  Top w0.25: Q1#24.2 16.78,9.36 ; 16.78,9.36 J1#23.3 ; 16.78,9.36 17.96,8.18 19.93,8.18 20.59,8.85 20.59,9.28 20.67,9.36 Q1#24.5
Board_28-B: length 11.7
  Top w0.25: Q2#12.5 22.59,14.44 22.75,14.6 22.75,15.6 22.74,15.61 17.96,15.61 16.78,14.44 ; 16.78,14.44 Q2#12.2 ; 16.78,14.44 J1#23.1
Board_28-Net-(Q1-Pad1): length 6.8
  Top w0.25: Q1#24.1 20.53,11.53 20.53,14.95 20.67,15.09 Q2#12.6
Board_28-Net-(Q1-Pad3): length 13.1
  Top w0.25: Q1#24.3 19.82,8.71 20.15,9.04 20.15,10.07 R1#27.1 ; v1(18.31,12.4) 19.01,13.11 Q2#12.3
  Bottom w0.25: v1(21.85,11.78) 18.93,11.78 v1(18.31,12.4)
Board_28-Net-(Q1-Pad6): length 2.2
  Top w0.25: Q1#24.6 23.86,10.01 R2#14.2
Board_28-Out: length 7.4
  Top w0.25: R2#14.1 26.69,9.99 J2#2.2 26.69,13.8 R1#27.2
Board_28-VDD: length 18.2
  Top w0.25: 27.41,14.6 23.39,14.6 22.57,13.79 Q2#12.4 ; 27.41,14.6 25.21,14.6 24.88,14.27 24.88,9.72 23.87,8.71 Q1#24.4 ; 27.41,14.6 28.43,14.6 J2#2.1
Board_28-VSS: length 14.1
  Top w0.25: Q2#12.1 20.01,15.09 20.09,15.01 20.09,13.04 v1(19.58,12.53)
  Bottom w0.25: v1(19.58,12.53) 25.42,12.53 J2#2.3
Board_29-A: length 9.2
  Top w0.25: 35.29,9.36 36.47,8.18 38.44,8.18 39.1,8.85 39.1,9.28 39.18,9.36 Q1#20.5 ; 35.29,9.36 Q1#20.2 ; 35.29,9.36 J1#26.3
Board_29-B: length 11.7
  Top w0.25: J1#26.1 35.29,14.44 ; 35.29,14.44 Q2#23.2 ; 35.29,14.44 36.47,15.61 41.26,15.61 41.26,15.6 41.26,14.6 41.1,14.44 Q2#23.5
Board_29-Net-(Q1-Pad1): length 6.8
  Top w0.25: Q2#23.6 39.18,15.09 39.04,14.95 39.04,11.53 Q1#20.1
Board_29-Net-(Q1-Pad3): length 13.1
  Top w0.25: R1#12.1 38.66,10.07 38.66,9.04 38.33,8.71 Q1#20.3 ; Q2#23.3 37.52,13.11 v1(36.82,12.4)
  Bottom w0.25: v1(36.82,12.4) 37.44,11.78 v1(40.36,11.78)
Board_29-Net-(Q1-Pad6): length 2.2
  Top w0.25: R2#15.2 42.37,10.01 Q1#20.6
Board_29-Out: length 7.4
  Top w0.25: R1#12.2 45.2,13.8 J2#17.2 45.2,9.99 R2#15.1
Board_29-VDD: length 18.2
  Top w0.25: 45.92,14.6 46.94,14.6 J2#17.1 ; 45.92,14.6 41.9,14.6 41.08,13.79 Q2#23.4 ; 45.92,14.6 43.72,14.6 43.4,14.27 43.4,9.72 42.38,8.71 Q1#20.4
Board_29-VSS: length 14.1
  Top w0.25: Q2#23.1 38.52,15.09 38.59,15.01 38.59,13.04 v1(38.09,12.53)
  Bottom w0.25: v1(38.09,12.53) 43.93,12.53 J2#17.3
Board_30-A: length 9.2
  Top w0.25: 53.8,9.36 J1#6.3 ; 53.8,9.36 Q1#27.2 ; 53.8,9.36 54.98,8.18 56.95,8.18 57.61,8.85 57.61,9.28 57.69,9.36 Q1#27.5
